# Altium PCB MotherBoard.PcbDoc (part 8 of 10)
Units mm, origin at the board's own origin, x right, y up, seen from the top; angles counter-clockwise.
Board outline 200 x 200 mm, 8 copper layers (Top Layer, Ground, Signal Layer 1, Power, Power 2, Signal Layer 2, Ground 2, Bottom Layer), stack 1.494 mm thick; 819 components, 704 nets, 3400 pads, 2339 vias.
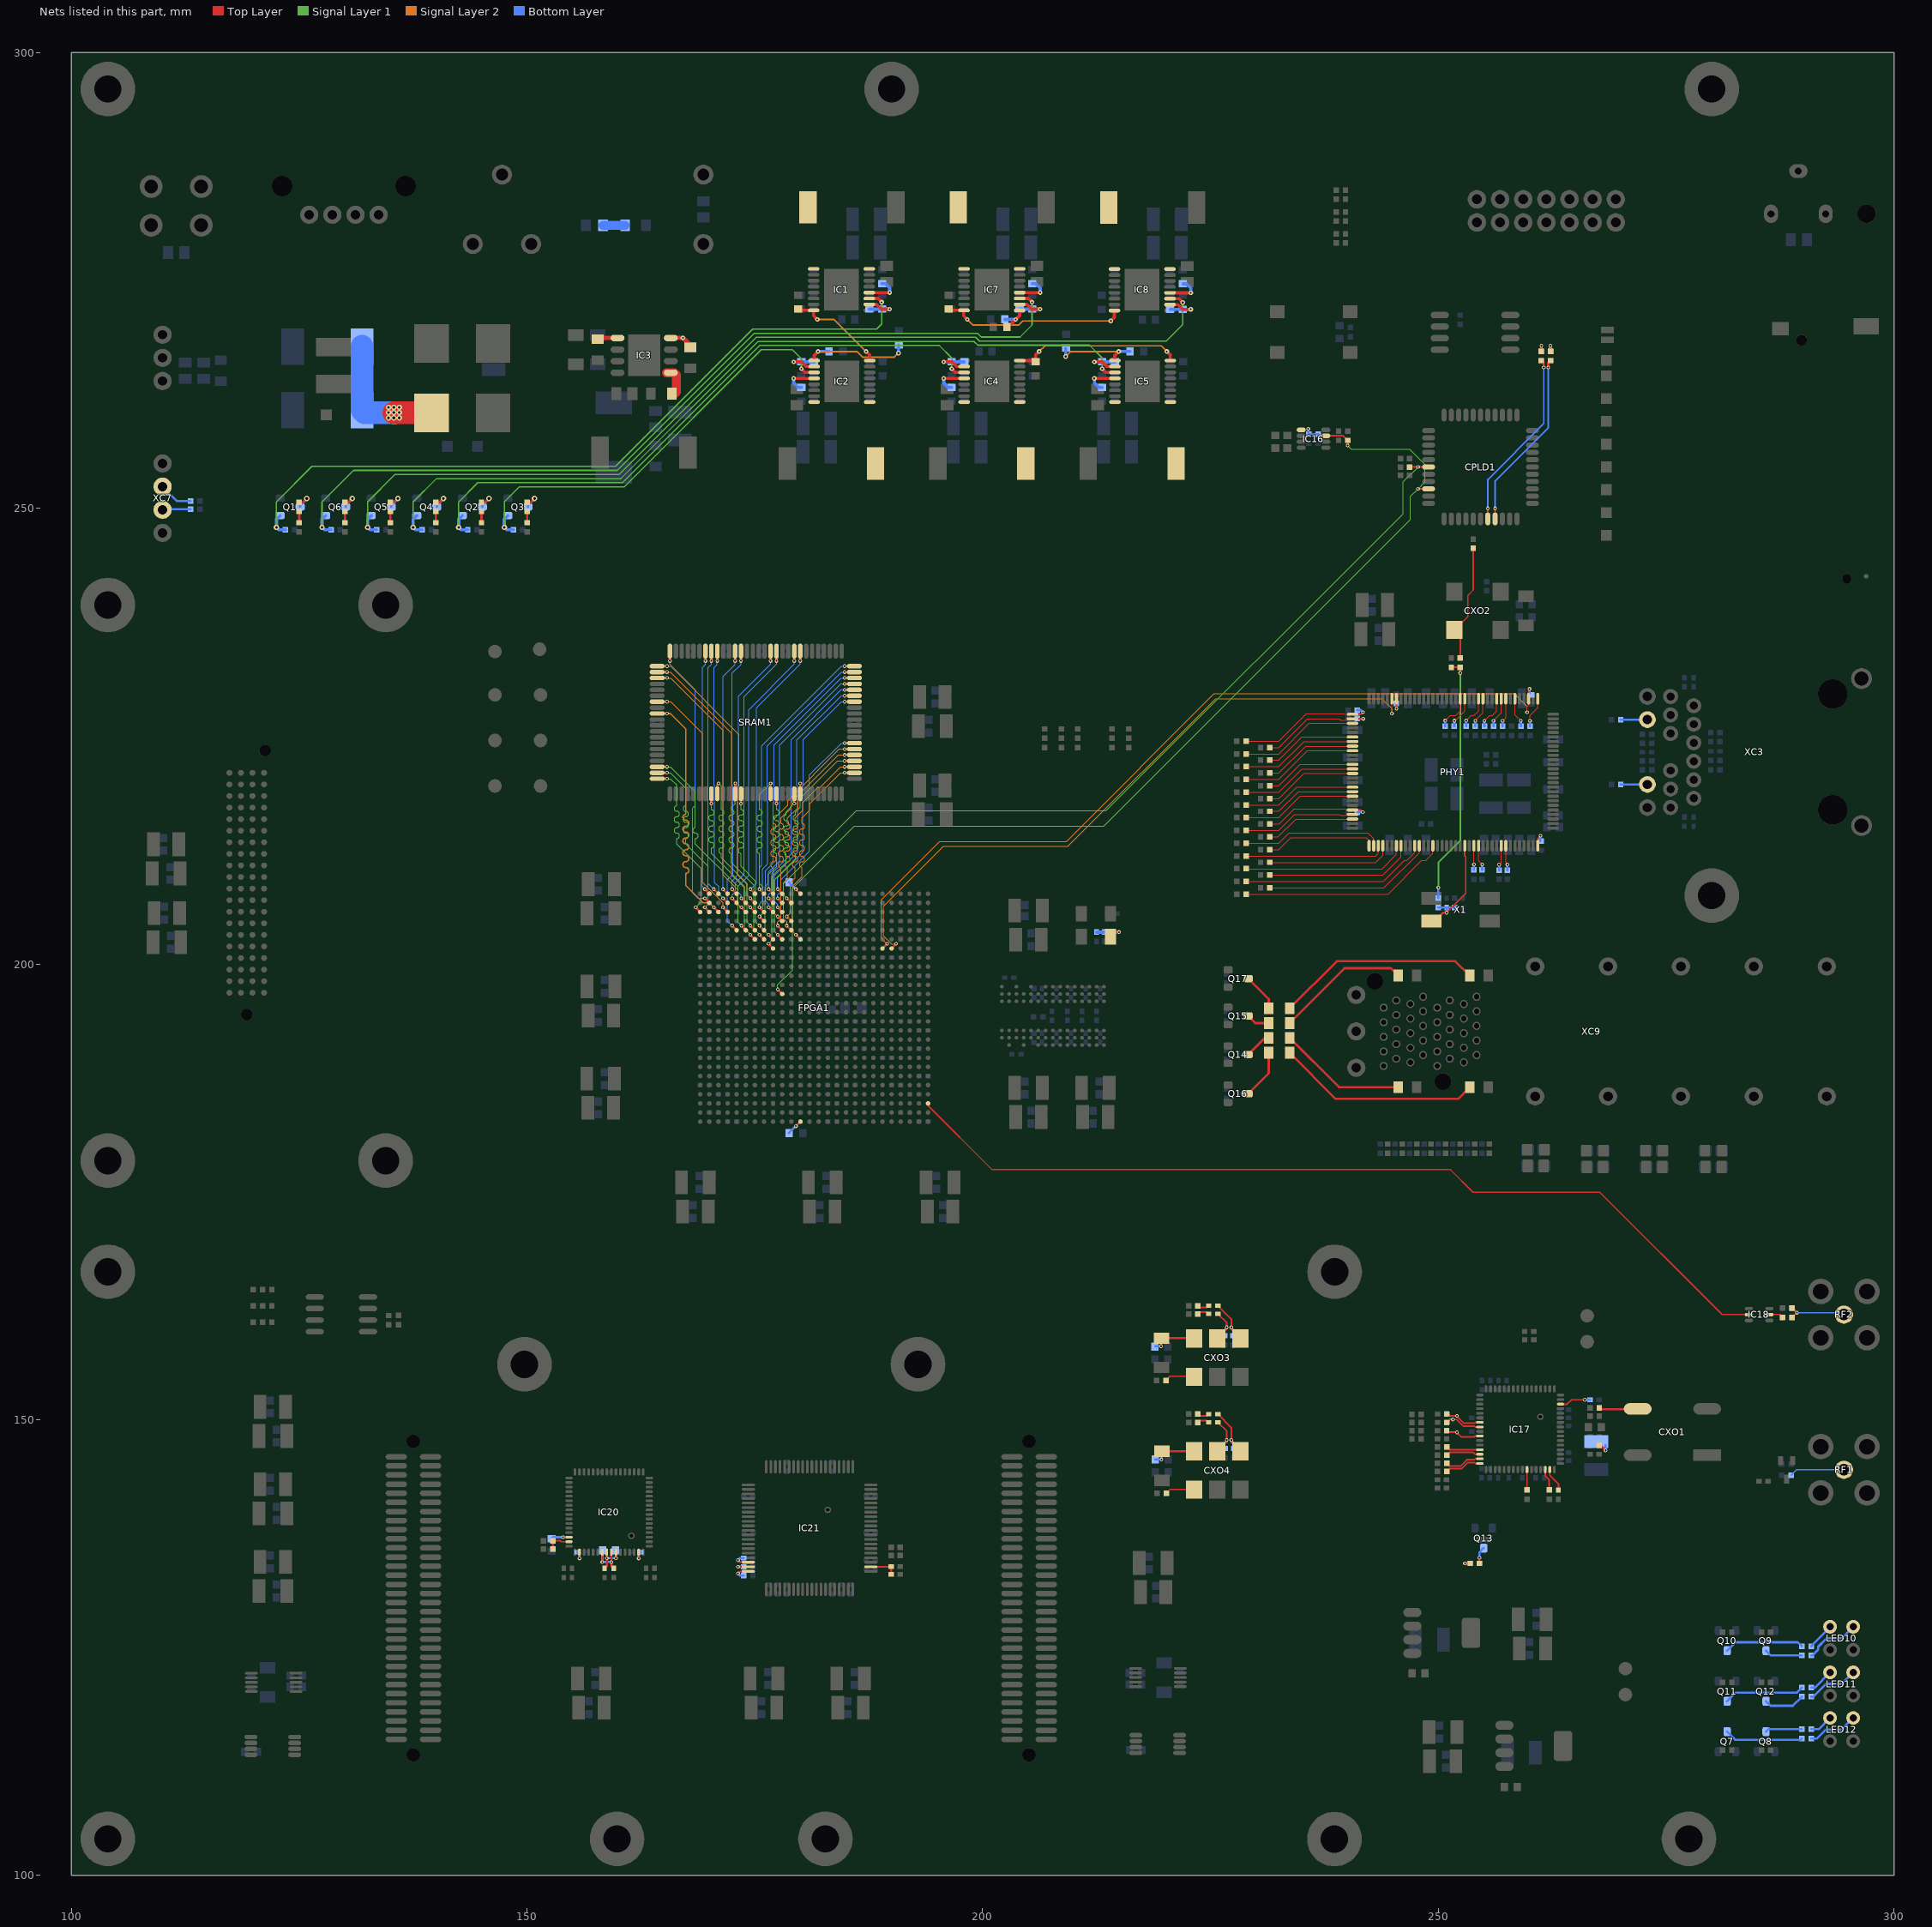
[diagram p14: the nets of this part, all layers, seen from the top]

## Via types
v1: diameter 0.4, hole 0.2, Top Layer to Bottom Layer, tented both sides, 1921 vias
v2: diameter 0.6, hole 0.3, Top Layer to Bottom Layer, tented both sides, 229 vias
v3: diameter 0.7, hole 0.4, Top Layer to Bottom Layer, 128 vias
v4: diameter 0.5, hole 0.2, Top Layer to Bottom Layer, tented both sides, 60 vias
v5: diameter 0.7, hole 0.4, Top Layer to Bottom Layer, tented both sides, 1 vias

## Nets (pads, with @x,y where several pads share a name; then routed paths per layer and width w, separated by ;. In a path a pad name is that pad's centre, name@x,y a point inside that pad or via, vN(x,y) a via of type N, cw(c..) or ccw(c..) an arc to the next point about the centre after c; other vN are vias at no path point) (continued)
NetC294_2: C294.2 IC17.42 R168.2 | length 5.2
  Top Layer w0.18: C294.2@250.908,148.8 251.108,148.6 v1(252.033,148.6) 252.533,148.1 253.95,148.1 254.05,148.2 IC17.42@254.55,148.2
  Bottom Layer w0.18: R168.2@250.908,148.8 251.108,148.6 v1(252.033,148.6)
NetC297_2: C297.2 IC17.40 R169.2 | length 4.9
  Top Layer w0.18: C297.2@250.908,149.7 251.218,150.01 v1(251.598,150.01) 252.027,150.01 252.737,149.3 253.95,149.3 254.05,149.2 IC17.40@254.55,149.2
  Bottom Layer w0.18: R169.2@250.908,149.7 251.218,150.01 v1(251.598,150.01)
NetC298_2: C298.2 IC17.39 R170.2 | length 5.3
  Top Layer w0.18: C298.2@250.908,150.6 251.108,150.4 v1(252.033,150.4) 252.833,149.6 253.95,149.6 254.05,149.7 IC17.39@254.55,149.7
  Bottom Layer w0.18: R170.2@250.908,150.6 251.108,150.4 v1(252.033,150.4)
NetC300_1: C300.1 IC17.63 | length 2.6
  Top Layer w0.18: IC17.63@262.225,144.525 262.225,143.875 263.168,142.932 C300.1@263.168,142.275
NetC301_1: C301.1 IC17.14 | length 3.4
  Top Layer w0.18: IC17.14@263.4,151.7 264.125,151.7 264.6,152.175 v1(266.075,152.175)
  Bottom Layer w0.25: v1(266.075,152.175) C301.1@266.65,152.175
NetC303_1: C303.1 R173.2 | length 1.5
  Top Layer w0.25: R173.2@267.658,147.175 267.8,147.175 v1(268.35,146.625)
  Bottom Layer w0.25: v1(268.35,146.625) C303.1@268.35,147.2
NetC334_2: C334.2 C336.1 IC20.7 IC20.9 | length 5.2
  Top Layer w0.18: v1(158.25,134.375) IC20.7@158.25,135.45 ; v1(159.25,134.375) IC20.9@159.25,135.45
  Top Layer w0.25: v1(159.25,134.375) 159.25,133.925 C334.2@159.5,133.675
  Bottom Layer w0.25: C336.1@158.3,135.65 158.25,135.6 v1(158.25,134.375) v1(159.25,134.375)
NetC335_1: C335.1 C336.2 IC20.8 IC20.10 | length 4.4
  Top Layer w0.18: v1(158.75,134.8) IC20.8@158.75,135.45 ; v1(159.75,134.8) IC20.10@159.75,135.45
  Top Layer w0.25: C335.1@158.5,133.675 158.75,133.925 v1(158.75,134.8)
  Bottom Layer w0.25: v1(158.75,134.8) v1(159.75,134.8) 159.75,135.6 C336.2@159.7,135.65
NetC337_1: C337.1 IC20.2 | length 1.5
  Top Layer w0.18: v1(155.75,134.775) IC20.2@155.75,135.45
  Bottom Layer w0.25: C337.1@155.5,135.45 155.75,135.2 v1(155.75,134.775)
NetC338_2: C338.2 IC20.62 | length 2
  Top Layer w0.18: v1(153.95,137.1) IC20.62@154.6,137.1
  Bottom Layer w0.25: C338.2@152.675,136.95 152.825,137.1 v1(153.95,137.1)
NetC339_2: C339.2 IC20.15 | length 1.5
  Top Layer w0.18: v1(162.25,134.775) IC20.15@162.25,135.45
  Bottom Layer w0.25: v1(162.25,134.775) 162.25,135.2 C339.2@162.5,135.45
NetC340_1: C340.1 IC21.58 | length 1.9
  Top Layer w0.18: v1(173.15,134.575) 173.375,134.35 IC21.58@174.275,134.35
  Bottom Layer w0.25: v1(173.15,134.575) 173.375,134.8 C340.1@173.775,134.8
NetC341_1: C341.1 C342.2 IC21.2 | length 3.1
  Top Layer w0.18: IC21.2@187.725,133.85 187.725,133.865 C341.1@189.935,133.865 ; C341.1@189.935,133.89 C341.1@189.95,133.875
  Top Layer w0.25: C342.2@189.95,133.025 C341.1@189.95,133.875
NetC409_1: C409.1 CXO3.6 L44.2 | length 5.1
  Top Layer w0.25: v1(219.575,158.05) 219.575,158.9 L44.2@219.6,158.925 ; L44.2@219.625,158.95 CXO3.6@223.185,158.95
  Bottom Layer w0.25: C409.1@218.925,158.05 v1(219.575,158.05)
NetC410_1: C410.1 CXO4.6 L45.2 | length 5.1
  Top Layer w0.25: v1(219.625,145.625) L45.2@219.625,146.5 ; L45.2@219.65,146.525 CXO4.6@223.21,146.525
  Bottom Layer w0.25: C410.1@218.95,145.625 v1(219.625,145.625)
NetC411_1: C411.1 R208.1 | length 1.4
  Top Layer w0.18: R208.1@223.608,161.6 223.808,161.8 224.6,161.8 C411.1@224.8,161.6
NetC411_2: C411.2 CXO3.5 R211.2 | length 4.5
  Top Layer w0.18: CXO3.5@225.75,158.9 226.775,159.925 v1(226.775,160.125) 226.775,160.625 C411.2@225.8,161.6
  Bottom Layer w0.15: R211.2@226.575,159.208 226.575,159.925 v1(226.775,160.125)
NetC412_1: C412.1 R204.1 | length 1.4
  Top Layer w0.18: R204.1@223.608,149.7 223.808,149.9 224.6,149.9 C412.1@224.8,149.7
NetC412_2: C412.2 CXO4.5 R213.2 | length 5
  Top Layer w0.18: CXO4.5@225.75,146.525 226.775,147.55 v1(226.775,147.75) 226.775,148.725 C412.2@225.8,149.7
  Bottom Layer w0.15: R213.2@226.575,146.833 226.575,147.55 v1(226.775,147.75)
NetC413_1: C413.1 R207.1 | length 1.4
  Top Layer w0.18: R207.1@223.608,162.5 223.808,162.3 224.6,162.3 C413.1@224.8,162.5
NetC413_2: C413.2 CXO3.4 R212.2 | length 5.6
  Top Layer w0.18: C413.2@225.8,162.5 227.275,161.025 v1(227.275,160.125) 227.275,159.915 CXO3.4@228.29,158.9
  Bottom Layer w0.15: v1(227.275,160.125) 227.475,159.925 R212.2@227.475,159.208
NetC414_1: C414.1 R203.1 | length 1.4
  Top Layer w0.18: R203.1@223.608,150.6 223.808,150.4 224.6,150.4 C414.1@224.8,150.6
NetC414_2: C414.2 CXO4.4 R214.2 | length 6.1
  Top Layer w0.18: C414.2@225.8,150.6 227.275,149.125 v1(227.275,147.75) 227.275,147.54 CXO4.4@228.29,146.525
  Bottom Layer w0.15: v1(227.275,147.75) 227.475,147.55 R214.2@227.475,146.833
NetC425_1: C425.1 L47.2 R220.1 R221.1 | length 3.6
  Top Layer w0.25: L47.2@214.014,202.988 214.522,203.496 v1(214.961,203.496)
  Bottom Layer w0.35: C425.1@212.5,203.488 R220.1@214.292,203.488 ; R220.1@214.3,203.496 v1(214.961,203.496)
NetCPLD1_7: CPLD1.7 LED8.1 | length 20
  Top Layer w0.18: CPLD1.7@255.425,248.825 v1(255.425,249.979)
  Top Layer w0.25: LED8.1@261.3,266.2 261.563,265.937 v1@261.563,265.438
  Bottom Layer w0.18: v1(255.425,249.979) 255.425,253.15 261.563,259.288 v1(261.563,265.438)
NetCPLD1_8: CPLD1.8 LED7.1 | length 19.9
  Top Layer w0.18: CPLD1.8@256.225,248.825 v1(256.225,249.979)
  Top Layer w0.25: v1(262.063,265.438) 262.063,265.963 LED7.1@262.3,266.2
  Bottom Layer w0.18: v1(256.225,249.979) 256.225,253 262.063,258.838 v1(262.063,265.438)
NetCXO1_3: CXO1.3 R157.2 | length 4.3
  Top Layer w0.25: R157.2@267.658,151.275 267.783,151.15 271.85,151.15 CXO1.3@271.88,151.18
NetCXO2_3: CXO2.3 R86.2 R237.1 | length 13.2
  Top Layer w0.15: CXO2.3@251.76,236.65 253.25,238.14 253.25,240.45 253.825,241.025 R86.2@253.825,245.6
  Top Layer w0.18: CXO2.3@251.76,236.65 252.4,236.01 R237.1@252.4,233.558
NetCXO3_1: CXO3.1 R209.2 | length 3.2
  Top Layer w0.15: R209.2@220.133,154.35 220.533,154.75 CXO3.1@223.185,154.75
NetCXO4_1: CXO4.1 R210.2 | length 3.2
  Top Layer w0.15: R210.2@220.158,141.925 220.558,142.325 CXO4.1@223.21,142.325
NetD1_1: D1.1 D2.1 F1.1 | length 15
  Top Layer w2.5: v2(135.375,260.5) 139.157,260.5 F1.1@139.551,260.894
  Bottom Layer w2.5: D1.1@131.9,267.75 D2.1@131.9,260.765 132.165,260.5 v2@135.475,260.5
  other v2: 134.8,259.925 135.375,259.925 135.975,259.925 134.8,260.5 135.975,260.5 134.8,261.075 135.375,261.075 135.975,261.075
NetD4_1: D4.1 R7.2 | length 2.4
  Bottom Layer w1: D4.1@158.34,281.039 R7.2@160.75,281.039
NetFPGA1_A15: FPGA1.A15 R216.2 | length 1.8
  Top Layer w0.25: v1(179.5,182.2) FPGA1.A15@180,182.7
  Bottom Layer w0.25: R216.2@178.738,181.45 178.75,181.45 v1(179.5,182.2)
NetFPGA1_AF15: FPGA1.AF15 R215.2 | length 1.8
  Top Layer w0.25: v1(179.5,208.2) FPGA1.AF15@180,207.7
  Bottom Layer w0.25: R215.2@178.738,208.95 178.75,208.95 v1(179.5,208.2)
NetIC1_2: IC1.2 R9.2 R10.1 | length 4.7
  Top Layer w0.35: IC1.2@187.548,272.364 188.36,272.364 188.872,271.852 v4(189.798,271.852)
  Bottom Layer w0.35: R10.1@187.548,271.852 v4(189.798,271.852)
NetIC1_4: IC1.4 R1.2 | length 3.8
  Top Layer w0.35: IC1.4@187.548,273.664 v4(189.798,273.664)
  Bottom Layer w0.35: R1.2@188.948,274.652 189.31,274.652 189.798,274.164 v4(189.798,273.664)
NetIC1_8: IC1.8 L2.1
NetIC1_16: IC1.16 IC2.16 R2.1 | length 10.9
  Top Layer w0.35: R2.1@179.71,271.852 179.848,271.714 IC1.16@181.414,271.714 ; IC1.16@181.452,271.714 181.452,271.11 v4(181.848,270.714) ; v4(187.2,267.2) 187.596,266.804 IC2.16@187.596,266.2
  Signal Layer 2 w0.18: v4(181.848,270.714) 183.686,270.714 v4(187.2,267.2)
NetIC2_1: IC2.1 R8.2 R13.2 | length 12.6
  Top Layer w0.35: IC2.1@181.5,266.2 181.5,266.775 v4(181.925,267.2)
  Signal Layer 2 w0.18: v4(181.925,267.2) 186.175,267.2 186.8,266.575 190.3,266.575 v4(190.75,267.025)
  Bottom Layer w0.35: v4(181.925,267.2) R8.2@183.138,267.2 ; v4(190.75,267.025) 190.75,267.922 R13.2@190.752,267.924
NetIC2_2: IC2.2 R11.2 R12.1 | length 4.7
  Top Layer w0.35: v4(179.25,266.062) 180.138,266.062 180.65,265.55 IC2.2@181.5,265.55
  Bottom Layer w0.35: v4(179.25,266.062) R11.2@180.1,266.062 R12.1@181.5,266.062
NetIC2_4: IC2.4 R3.2 | length 3.8
  Top Layer w0.35: v4(179.25,264.25) IC2.4@181.5,264.25
  Bottom Layer w0.35: v4(179.25,264.25) 179.25,263.75 179.738,263.262 R3.2@180.1,263.262
NetIC2_8: IC2.8 L3.1
NetIC3_1: IC3.1 R16.1 | length 3.6
  Top Layer w1: IC3.1@165.3,264.864 166.136,264.864 166.4,264.6 166.4,262.8 166.176,262.576 R16.1@165.888,262.576
NetIC3_4: IC3.4 R22.1 R23.2 | length 4.1
  Top Layer w0.5: IC3.4@165.771,268.674 165.797,268.7 v4(167.1,268.7) 167.926,267.874 R22.1@167.926,267.676
  Bottom Layer w0.5: v4(167.1,268.7) 167.913,267.887 R23.2@167.913,267.663
NetIC3_5: IC3.5 R14.1 | length 2.2
  Top Layer w0.5: R14.1@157.753,268.552 157.901,268.7 IC3.5@159.929,268.7
NetIC4_2: IC4.2 R25.2 R26.1 | length 4.7
  Top Layer w0.35: v4(195.712,266.062) 196.638,266.062 197.15,265.55 IC4.2@197.962,265.55
  Bottom Layer w0.35: v4(195.712,266.062) R26.1@197.962,266.062
NetIC4_4: IC4.4 R15.2 | length 3.8
  Top Layer w0.35: v4(195.712,264.25) IC4.4@197.962,264.25
  Bottom Layer w0.35: v4(195.712,264.25) 195.712,263.75 196.2,263.262 R15.2@196.562,263.262
NetIC4_8: IC4.8 L5.1
NetIC4_16: IC4.16 IC5.16 R17.2 | length 18.7
  Top Layer w0.35: IC4.16@204.096,266.2 205.662,266.2 R17.2@205.8,266.062 205.8,266.8 v4(206.2,267.2) ; v4(220.2,267.2) 220.596,266.804 IC5.16@220.596,266.2
  Signal Layer 2 w0.18: v4(206.2,267.2) 206.825,267.825 219.575,267.825 v4(220.2,267.2)
NetIC5_1: IC5.1 R24.2 R29.2 | length 9.3
  Top Layer w0.35: IC5.1@214.5,266.2 214.5,266.775 v4(214.925,267.2)
  Signal Layer 2 w0.18: v4(209.1,266.65) 209.65,267.2 v4(214.925,267.2)
  Bottom Layer w0.35: v4(209.1,266.65) 209.1,267.547 R29.2@209.102,267.549 ; v4(214.925,267.2) R24.2@216.138,267.2
NetIC5_2: IC5.2 R27.2 R28.1 | length 4.7
  Top Layer w0.35: v4(212.25,266.062) 213.138,266.062 213.65,265.55 IC5.2@214.5,265.55
  Bottom Layer w0.35: v4(212.25,266.062) R28.1@214.5,266.062
NetIC5_4: IC5.4 R18.2 | length 3.8
  Top Layer w0.35: v4(212.25,264.25) IC5.4@214.5,264.25
  Bottom Layer w0.35: v4(212.25,264.25) 212.25,263.75 212.738,263.262 R18.2@213.1,263.262
NetIC5_8: IC5.8 L6.1
NetIC7_1: IC7.1 R43.1 R48.2 | length 3.7
  Top Layer w0.35: R48.2@202.662,269.9 202.809,269.9 v4(203.623,270.714) 204.048,271.139 IC7.1@204.048,271.714
  Bottom Layer w0.35: R43.1@202.412,270.725 203.612,270.725 v4(203.623,270.714)
NetIC7_2: IC7.2 R44.2 R45.1 | length 4.7
  Top Layer w0.35: IC7.2@204.048,272.364 204.86,272.364 205.372,271.852 v4(206.298,271.852)
  Bottom Layer w0.35: R45.1@204.048,271.852 v4(206.298,271.852)
NetIC7_4: IC7.4 R38.2 | length 3.8
  Top Layer w0.35: IC7.4@204.048,273.664 v4(206.298,273.664)
  Bottom Layer w0.35: R38.2@205.448,274.652 205.81,274.652 206.298,274.164 v4(206.298,273.664)
NetIC7_8: IC7.8 L9.1
NetIC7_16: IC7.16 IC8.16 R40.1 | length 20.4
  Top Layer w0.35: R40.1@196.21,271.852 196.348,271.714 197.914,271.714 197.914,271.11 v4(198.31,270.714) ; v4(214.052,270.551) 214.452,270.951 IC8.16@214.452,271.689
  Signal Layer 2 w0.18: v4(198.31,270.714) 198.924,270.1 203.95,270.1 204.401,270.551 v4(214.052,270.551)
NetIC8_2: IC8.2 R46.2 R47.1 | length 4.7
  Top Layer w0.35: IC8.2@220.586,272.339 221.423,272.339 221.935,271.827 v4(222.836,271.827)
  Bottom Layer w0.35: R47.1@220.586,271.827 v4(222.836,271.827)
NetIC8_4: IC8.4 R39.1 | length 3.8
  Top Layer w0.35: IC8.4@220.586,273.639 v4(222.836,273.639)
  Bottom Layer w0.35: R39.1@221.986,274.627 222.348,274.627 222.836,274.139 v4(222.836,273.639)
NetIC8_8: IC8.8 L10.1
NetIC16_1: IC16.1 R128.1 R129.2 | length 2.5
  Top Layer w0.18: IC16.1@234.95,258.6 235.6,258.6 v1(235.725,258.725)
  Bottom Layer w0.25: v1(235.725,258.725) 235.725,258.183 R129.2@235.775,258.133 R128.1@236.825,258.133
NetIC17_45: IC17.45 R162.2 | length 3.8
  Top Layer w0.18: R162.2@250.916,147 251.216,146.7 IC17.45@254.55,146.7
NetIC17_46: IC17.46 R161.2 | length 3.8
  Top Layer w0.18: R161.2@250.916,146.1 251.216,146.4 253.85,146.4 254.05,146.2 IC17.46@254.55,146.2
NetIC17_47: IC17.47 R160.2 | length 4.1
  Top Layer w0.18: R160.2@250.916,145.2 251.216,144.9 252.429,144.9 253.129,145.6 253.95,145.6 254.05,145.7 IC17.47@254.55,145.7
NetIC17_48: IC17.48 R159.2 | length 4.1
  Top Layer w0.18: R159.2@250.916,144.3 251.236,144.62 252.545,144.62 253.225,145.3 253.95,145.3 254.05,145.2 IC17.48@254.55,145.2
NetIC17_58: IC17.58 R156.2 | length 2.2
  Top Layer w0.18: R156.2@259.725,142.283 IC17.58@259.725,144.525
NetIC17_62: IC17.62 R155.2 | length 2.4
  Top Layer w0.18: IC17.62@261.725,144.525 261.725,143.825 262.168,143.382 R155.2@262.168,142.283
NetIC18_5: IC18.5 R154.1 | length 1.6
  Top Layer w0.15: IC18.5@286.325,161.525 287.484,161.525 R154.1@287.784,161.225
NetIC20_63: IC20.63 R179.2 R180.1 | length 2.7
  Top Layer w0.18: R180.1@152.825,136.7 153.65,136.7 153.75,136.6 IC20.63@154.6,136.6
  Top Layer w0.25: R179.2@152.825,135.8 R180.1@152.825,136.7
NetIC21_59: IC21.59 R181.1 | length 1.7
  Top Layer w0.18: v1(173.15,133.85) IC21.59@174.275,133.85
  Bottom Layer w0.25: v1(173.15,133.85) R181.1@173.767,133.85
NetIC21_60: IC21.60 R182.1 | length 1.9
  Top Layer w0.18: v1(173.15,133.125) 173.375,133.35 IC21.60@174.275,133.35
  Bottom Layer w0.25: v1(173.15,133.125) 173.375,132.9 R182.1@173.767,132.9
NetLED1_1: LED1.1 Q1.3 | length 2.2
  Top Layer w0.25: LED1.1@125,250.658 125.408,250.658 v2(125.825,251.075)
  Bottom Layer w0.25: Q1.3@125.1,250.15 125.1,250.3 125.85,251.05 v2(125.825,251.075)
NetLED1_2: LED1.2 R32.1 | length 1.2
  Top Layer w0.25: R32.1@125,248.408 LED1.2@125,249.642
NetLED2_1: LED2.1 Q2.3 | length 2.2
  Top Layer w0.25: LED2.1@145,250.658 145.408,250.658 v2(145.825,251.075)
  Bottom Layer w0.25: Q2.3@145.1,250.15 145.1,250.3 145.85,251.05 v2(145.825,251.075)
NetLED2_2: LED2.2 R33.1 | length 1.2
  Top Layer w0.25: R33.1@145,248.408 LED2.2@145,249.642
NetLED3_1: LED3.1 Q3.3 | length 2.2
  Top Layer w0.25: LED3.1@150,250.658 150.408,250.658 v2(150.825,251.075)
  Bottom Layer w0.25: Q3.3@150.1,250.15 150.1,250.3 150.85,251.05 v2(150.825,251.075)
NetLED3_2: LED3.2 R36.1 | length 1.2
  Top Layer w0.25: R36.1@150,248.408 LED3.2@150,249.642
NetLED4_1: LED4.1 Q4.3 | length 2.2
  Top Layer w0.25: LED4.1@140,250.658 140.408,250.658 v2(140.825,251.075)
  Bottom Layer w0.25: Q4.3@140.1,250.15 140.1,250.3 140.85,251.05 v2(140.825,251.075)
NetLED4_2: LED4.2 R37.1 | length 1.2
  Top Layer w0.25: R37.1@140,248.408 LED4.2@140,249.642
NetLED5_1: LED5.1 Q5.3 | length 2.2
  Top Layer w0.25: LED5.1@135,250.658 135.408,250.658 v2(135.825,251.075)
  Bottom Layer w0.25: Q5.3@135.1,250.15 135.1,250.3 135.85,251.05 v2(135.825,251.075)
NetLED5_2: LED5.2 R50.1 | length 1.2
  Top Layer w0.25: R50.1@135,248.408 LED5.2@135,249.642
NetLED6_1: LED6.1 Q6.3 | length 2.2
  Top Layer w0.25: LED6.1@130,250.658 130.408,250.658 v2(130.825,251.075)
  Bottom Layer w0.25: Q6.3@130.1,250.15 130.1,250.3 130.85,251.05 v2(130.825,251.075)
NetLED6_2: LED6.2 R52.1 | length 1.2
  Top Layer w0.25: R52.1@130,248.408 LED6.2@130,249.642
NetLED7_2: LED7.2 R113.1 | length 1.2
  Top Layer w0.25: LED7.2@262.3,267.216 v1(262.3,267.816)
  Bottom Layer w0.25: R113.1@262.3,267.216 v1(262.3,267.816)
NetLED8_2: LED8.2 R114.1 | length 1.2
  Top Layer w0.25: LED8.2@261.3,267.216 v1(261.3,267.816)
  Bottom Layer w0.25: R114.1@261.3,267.216 v1(261.3,267.816)
NetLED9_1: LED9.1 Q13.3 | length 1.9
  Top Layer w0.25: LED9.1@254.508,134.225 v1(254.508,134.833)
  Bottom Layer w0.25: v1(254.508,134.833) 254.508,135.433 Q13.3@254.975,135.9
NetLED9_2: LED9.2 R137.1 | length 1.1
  Top Layer w0.25: v1(252.917,134.225) LED9.2@253.492,134.225
  Bottom Layer w0.25: v1(252.917,134.225) R137.1@253.492,134.225
NetLED10_3: LED10.3 R148.2 | length 3
  Bottom Layer w0.25: R148.2@290.908,125.125 292.98,127.197 LED10.3@292.98,127.27
NetLED10_4: LED10.4 R149.1 | length 6.1
  Bottom Layer w0.25: R149.1@290.908,124.125 291.025,124.125 291.675,124.775 291.675,125.075 292.6,126 294.25,126 LED10.4@295.52,127.27
NetLED11_3: LED11.3 R146.2 | length 2.8
  Bottom Layer w0.25: R146.2@290.908,120.6 291.31,120.6 LED11.3@292.98,122.27
NetLED11_4: LED11.4 R147.2 | length 5.7
  Bottom Layer w0.25: R147.2@290.908,119.6 291.15,119.6 292.55,121 294.25,121 LED11.4@295.52,122.27
NetLED12_3: LED12.3 R145.1 | length 2.6
  Bottom Layer w0.25: R145.1@290.908,116.025 291.735,116.025 LED12.3@292.98,117.27
NetLED12_4: LED12.4 R144.1 | length 5.6
  Bottom Layer w0.25: R144.1@290.908,115 291.525,115 292.525,116 294.25,116 LED12.4@295.52,117.27
NetPHY1_1: PHY1.1 R89.1 | length 3.4
  Top Layer w0.1: v1(260.05,226.683) 260.05,227.275 260.9,228.125 PHY1.1@260.9,229.1
  Bottom Layer w0.25: R89.1@260.05,226.083 v1(260.05,226.683)
NetPHY1_6: PHY1.6 R90.1 | length 3.3
  Top Layer w0.1: PHY1.6@258.4,229.1 258.4,227.333 v1(259.05,226.683)
  Bottom Layer w0.25: R90.1@259.05,226.083 v1(259.05,226.683)
NetPHY1_8: PHY1.8 R109.2 | length 3.2
  Top Layer w0.1: v1(257.05,226.683) 257.4,227.033 PHY1.8@257.4,229.1
  Bottom Layer w0.25: R109.2@257.05,226.083 v1(257.05,226.683)
NetPHY1_9: PHY1.9 R110.1 | length 3.4
  Top Layer w0.1: v1(256.05,226.683) 256.9,227.533 PHY1.9@256.9,229.1
  Bottom Layer w0.25: R110.1@256.05,226.083 v1(256.05,226.683)
NetPHY1_10: PHY1.10 R111.1 | length 3.8
  Top Layer w0.1: v1(255.05,226.683) 255.617,227.25 255.917,227.25 256.4,227.733 PHY1.10@256.4,229.1
  Bottom Layer w0.25: R111.1@255.05,226.083 v1(255.05,226.683)
NetPHY1_13: PHY1.13 R112.1 | length 3.4
  Top Layer w0.1: v1(254.05,226.683) 254.9,227.533 PHY1.13@254.9,229.1
  Bottom Layer w0.25: R112.1@254.05,226.083 v1(254.05,226.683)
NetPHY1_14: PHY1.14 R91.2 | length 3.7
  Top Layer w0.1: v1(253.05,226.691) 253.609,227.25 253.909,227.25 254.4,227.741 PHY1.14@254.4,229.1
  Bottom Layer w0.25: R91.2@253.05,226.091 v1(253.05,226.691)
NetPHY1_17: PHY1.17 R92.1 | length 3.4
  Top Layer w0.1: v1@251.875,226.691 252.9,227.716 PHY1.17@252.9,229.1
  Bottom Layer w0.25: R92.1@251.75,226.091 v1(251.75,226.691)
NetPHY1_18: PHY1.18 R93.2 | length 4
  Top Layer w0.1: v1(250.75,226.691) 251.309,227.25 251.909,227.25 252.4,227.741 PHY1.18@252.4,229.1
  Bottom Layer w0.25: R93.2@250.75,226.091 v1(250.75,226.691)
NetPHY1_32: PHY1.32 R84.1 | length 1.7
  Top Layer w0.18: v1(245.4,227.992) PHY1.32@245.4,229.1
  Bottom Layer w0.25: v1(245.4,227.992) R84.1@245.4,228.592
NetPHY1_39: PHY1.39 R53.2 R56.2 | length 14.9
  Top Layer w0.1: R56.2@228.908,224.45 232.5,224.45 235.5,227.45 239.645,227.45 239.695,227.4 PHY1.39@240.58,227.4
  Top Layer w0.18: PHY1.39@240.58,227.4 241.5,227.4 v1(241.725,227.625)
  Bottom Layer w0.25: R53.2@241.108,227.85 241.5,227.85 v1(241.725,227.625)
NetPHY1_40: PHY1.40 R55.1 R57.2 | length 12.3
  Top Layer w0.1: R57.2@231.508,223.75 232.5,223.75 235.65,226.9 239.125,226.9 239.275,226.75 239.825,226.75 239.975,226.9 PHY1.40@240.58,226.9
  Top Layer w0.18: PHY1.40@240.58,226.9 v1(241.75,226.9)
  Bottom Layer w0.25: R55.1@241.108,226.95 241.158,226.9 v1(241.75,226.9)